# Altium PCB pcb-ash-power.PcbDoc (part 3 of 6)
Units mm, origin at the board's own origin, x right, y up, seen from the top; angles counter-clockwise.
Board outline 140 x 87 mm, 4 copper layers (Top Layer, VCC, GND, Bottom Layer), stack 1.641 mm thick; 589 components, 453 nets, 2323 pads, 1205 vias.
Unrouted connection lines stored in the file: 345.
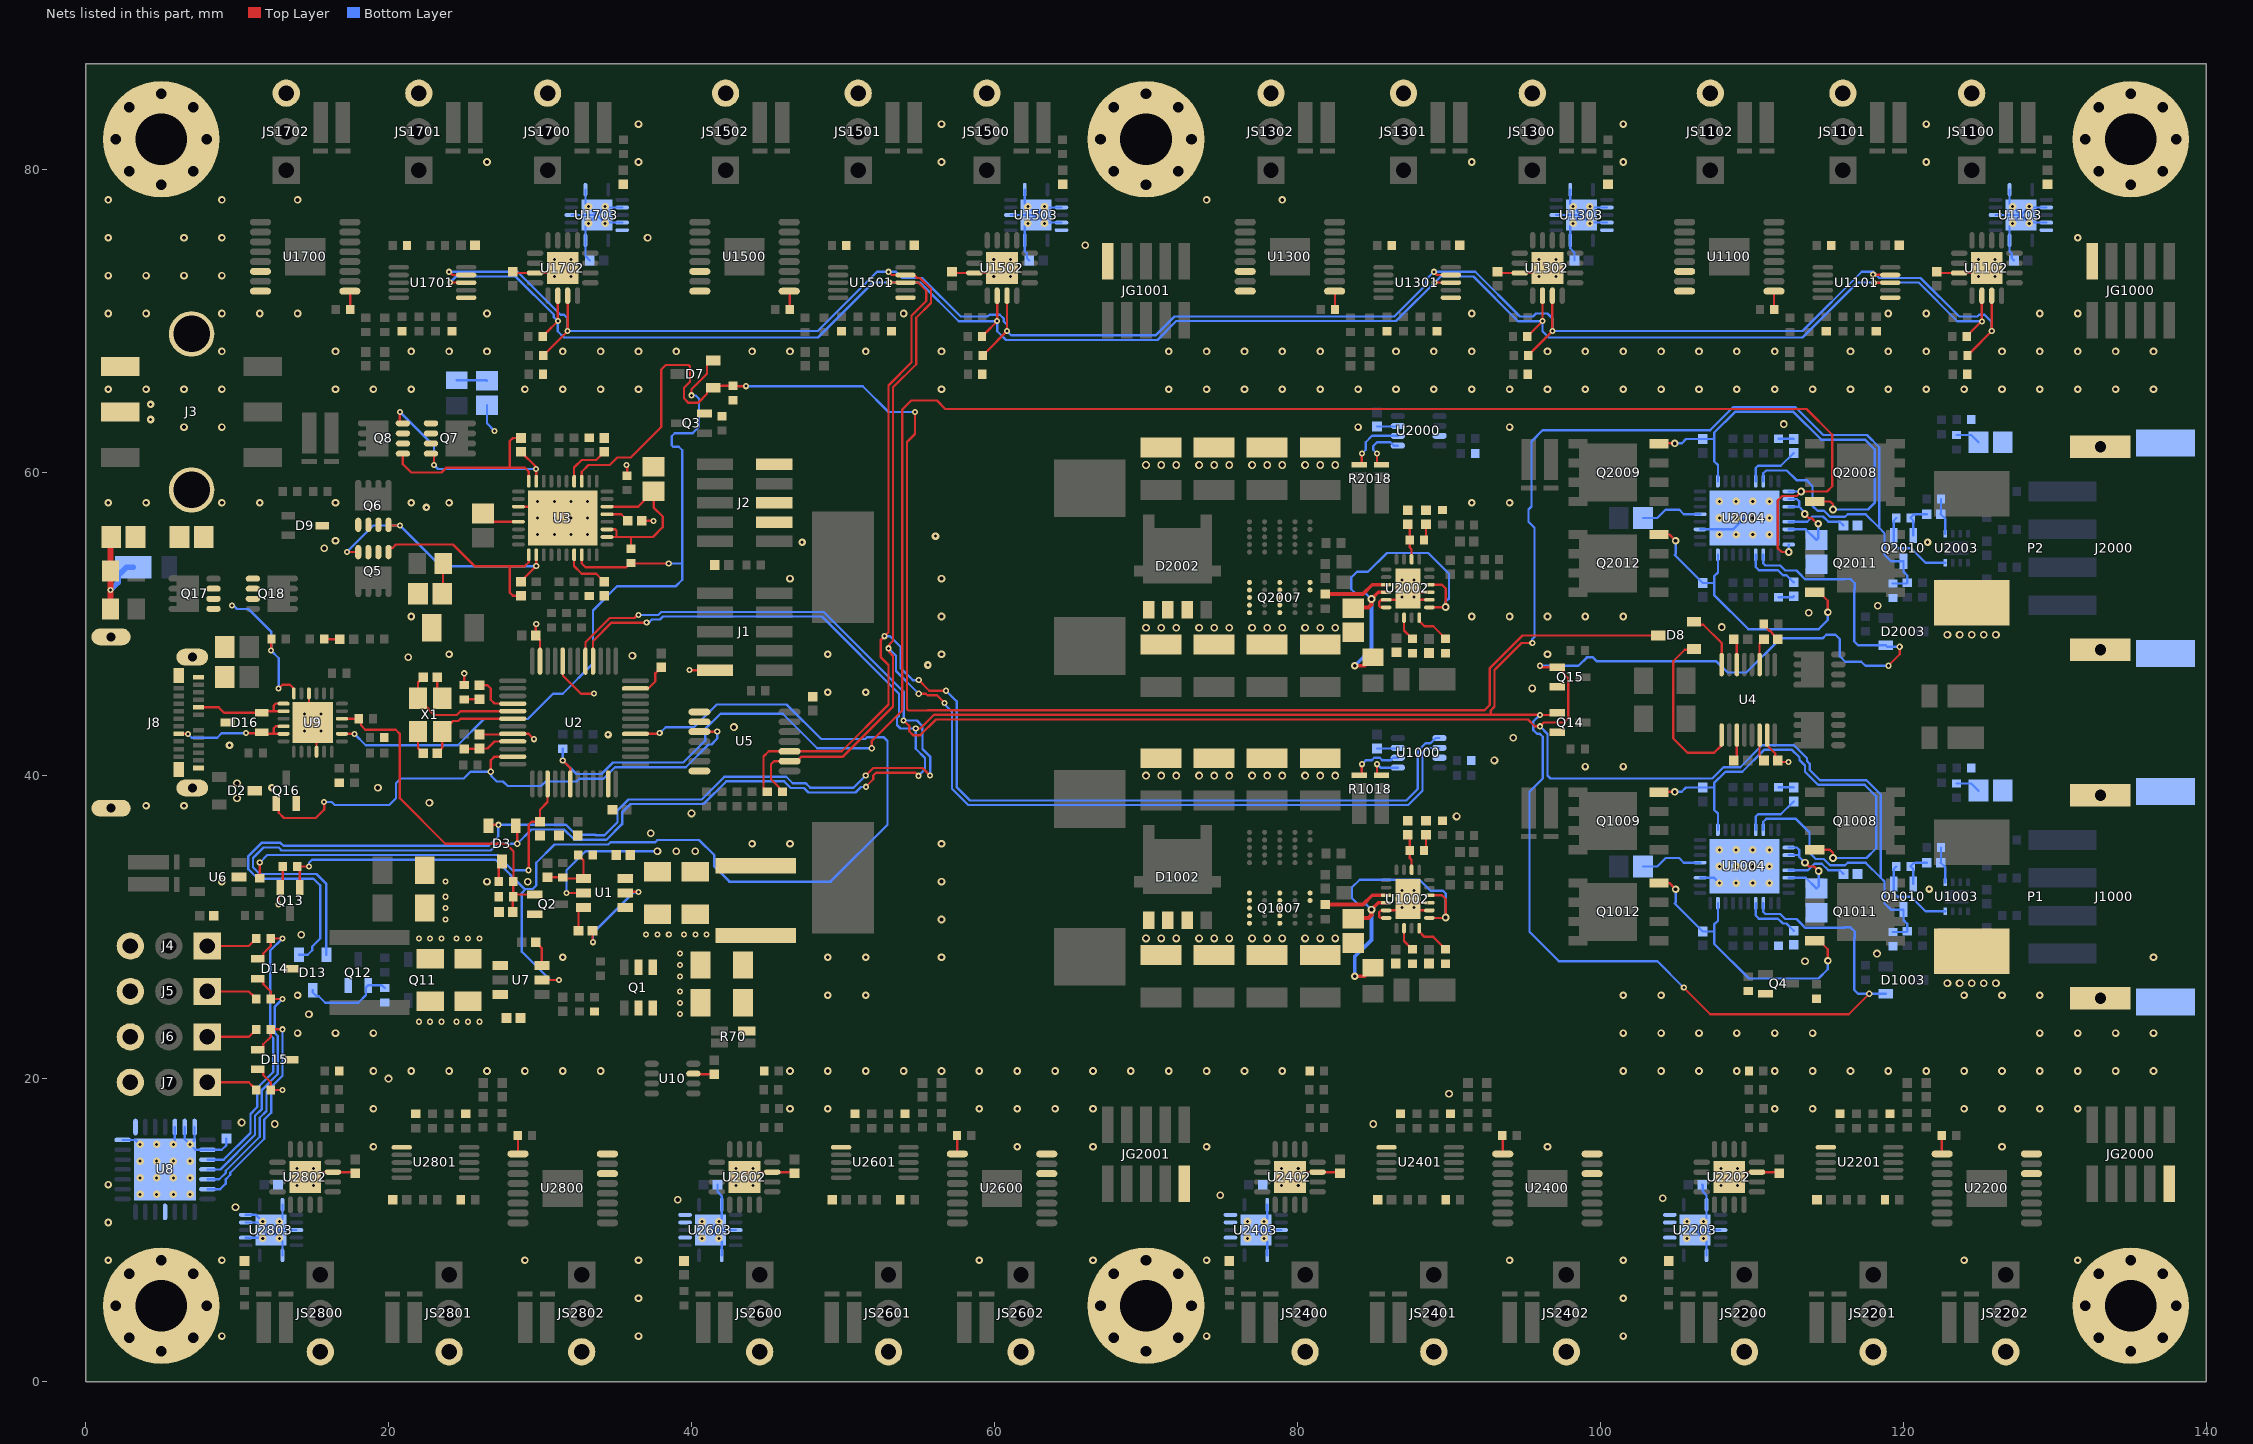
[diagram p5: the nets of this part, all layers, seen from the top]

## Via types
v1: diameter 0.5, hole 0.25, Top Layer to Bottom Layer, tented both sides, 250 vias
v2: diameter 0.406, hole 0.203, Top Layer to Bottom Layer, 244 vias
v3: diameter 0.5, hole 0.2, Top Layer to Bottom Layer, 202 vias
v4: diameter 0.508, hole 0.3, Top Layer to Bottom Layer, 155 vias
v5: diameter 0.4, hole 0.2, Top Layer to Bottom Layer, tented both sides, 103 vias
v6: diameter 0.508, hole 0.254, Top Layer to Bottom Layer, tented both sides, 82 vias
v7: diameter 1.27, hole 0.7, Top Layer to Bottom Layer, 48 vias
v8: diameter 0.4, hole 0.2, Top Layer to Bottom Layer, 47 vias
v9: diameter 0.5, hole 0.254, Top Layer to Bottom Layer, 24 vias
v10: diameter 0.508, hole 0.254, Top Layer to Bottom Layer, 19 vias
v11: diameter 0.508, hole 0.2, Top Layer to Bottom Layer, 17 vias
v12: diameter 0.406, hole 0.203, Top Layer to Bottom Layer, tented both sides, 10 vias
v13: diameter 0.508, hole 0.2, Top Layer to Bottom Layer, tented both sides, 4 vias

## Nets (pads, with @x,y where several pads share a name; then routed paths per layer and width w, separated by ;. In a path a pad name is that pad's centre, name@x,y a point inside that pad or via, vN(x,y) a via of type N, cw(c..) or ccw(c..) an arc to the next point about the centre after c; other vN are vias at no path point) (continued)
\R_FLT: R13.1 U2.18 U2004.11 U2004.18 | length 124.8
  Top Layer w0.152: v2(31.5,41) 32,40.5 U2.18@32,39.45 ; v2(51.9,41.8) 51.9,42.288 53.914,44.302 53.914,64.164 54.5,64.75 56.2,64.75 56.75,64.2 113.6,64.2 115.3,62.5 115.3,59.1 114.945,58.745 v10(113.245,58.745) 112.955,58.455 112,58.455 111.71,58.165 111.71,55.01 111.97,54.75 v10(112.425,54.75)
  Bottom Layer w0.152: R13.1@31.5,41.775 v2(31.5,41) 32.4,40.1 34.059,40.1 34.818,40.86 39.46,40.86 40.9,42.3 40.9,43.069 41.917,44.086 46.021,44.086 48.307,41.8 v2(51.9,41.8) ; v10(112.425,54.75) U2004.18@112.425,55.25 ; U2004.11@112.425,58.75 112.43,58.745 v10(113.245,58.745)
\USB_EN_SNK: C8.2 Q2.1 R2.2 R4.2 R61.1 U9.16 | length 23.1
  Top Layer w0.152: U9.16@16.925,43.75 R61.1@18.025,43.75 18.184,43.591 18.184,43.316 18.471,43.029 20.471,43.029 20.75,42.75 20.75,38.5 23.75,35.5 27.75,35.5 28.25,35 28.25,33.025 R2.2@28.225,33 R4.2@28.225,32 ; C8.2@28.21,31 28.21,31.985 R4.2@28.225,32 ; Q2.1@29.65,32.15 28.375,32.15 R4.2@28.225,32
BAT_PG1: D3.A1 D13.A2 D1003.A1 Q14.1 Q2010.3 R2039.1 R2041.2 U2.40 U1004.21 U2004.8 | length 254.6
  Top Layer w0.152: D3.A1@28.4,36.675 28.5,36.575 v2(28.5,35.5) ; U2.40@33.5,47.55 33.5,48.869 34.726,50.095 37.037,50.095 v2(37.042,50.1) ; v2(51.507,39.257) 52,39.75 52,40 52.195,40.195 54.763,40.195 54.975,39.984 v2(54.98,39.984) ; v2(54.8,43.1) 54.803,43.103 55.103,43.103 56.01,44.01 92.75,44.01 ; v2(95.5,48.75) 94.781,48.75 93.005,46.974 93.005,44.552 92.75,44.297 92.75,44.01 ; Q14.1@97.15,44.15 97,44 v2(96,44) 95.99,44.01 92.75,44.01 ; v2(105.5,26) 107.25,24.25 116.39,24.25 v2(117.74,25.6)
  Bottom Layer w0.152: D13.A2@15.9,28.175 15.9,32.85 15.25,33.5 11.5,33.5 11.055,33.945 11.055,34.555 11.75,35.25 12.75,35.25 12.945,35.055 26.75,35.055 27.195,35.5 v2(28.5,35.5) 29.445,36.445 31.593,36.445 32.28,35.758 34.383,35.758 35.419,36.795 35.419,37.564 35.972,38.116 40.797,38.116 42.297,39.616 46.121,39.616 46.557,39.181 47.426,39.181 47.721,38.886 50.817,38.886 51.181,39.25 51.5,39.25 v2(51.507,39.257) ; v2(37.042,50.1) 37.09,50.149 37.249,50.149 37.395,50.295 37.926,50.295 38.126,50.495 48.605,50.495 53.695,45.405 53.695,43.938 53.568,43.811 53.568,43.468 53.563,43.463 53.563,43.337 53.8,43.1 v2(54.8,43.1) 54.8,41.769 55.409,41.159 55.409,40.409 54.984,39.984 v2(54.98,39.984) ; v2(95.5,48.75) 95.5,49 95.645,49.145 95.645,56.355 95.25,56.75 95.25,57.569 95.445,57.764 95.445,62.057 96.188,62.8 107.238,62.8 108.747,64.31 112.871,64.31 114.701,62.48 117.584,62.48 118.4,61.664 118.4,56.35 ; v2(96,44) 95.568,43.568 95.568,43 95.818,42.75 96,42.75 96.195,42.555 96.195,39.807 95.313,38.925 95.313,29.687 97.25,27.75 103.75,27.75 v2(105.5,26) ; U1004.21@110.75,31.575 110.75,31.01 110.9,30.86 111.862,30.86 112.188,30.533 112.93,30.533 113.299,30.165 113.299,30.161 113.5,29.96 116.093,29.96 116.112,29.979 116.508,29.979 116.789,29.698 116.789,29.302 116.756,29.269 116.756,25.844 117,25.6 v2(117.74,25.6) D1003.A1@118.825,25.6 ; U2004.8@110.75,59.425 110.75,59.95 110.94,60.14 112.3,60.14 112.94,59.5 113.6,59.5 114,59.1 114,57.8 114.327,57.473 114.75,57.473 115.145,57.078 116.142,57.078 116.315,57.25 117.5,57.25 118.4,56.35 ; R2041.2@119.3,52.675 120.2,52.675 R2039.1@120.25,52.725 120.25,53.21 120,53.46 Q2010.3@120,54.15 119.175,54.15 118.75,54.575 118.75,56 118.4,56.35
BAT_PG2: D3.A2 D13.A1 D2003.A1 Q15.1 Q1010.3 R1039.1 R1041.2 U2.41 U1004.8 U2004.21 | length 236.4
  Top Layer w0.152: D3.A2@26.6,36.75 v2(27.25,36.75) ; U2.41@33,47.55 33,48.8 34.6,50.4 36.231,50.4 v2@36.431,50.6 ; v2(51.5,40) 52,40.5 55.25,40.5 v2(55.75,40) ; v2(54,43.632) 54.015,43.632 54.368,43.279 54.368,42.921 54.621,42.668 55.099,42.668 56.136,43.705 95.206,43.705 95.661,43.25 v2(96,43.25) ; v2@96,43.299 96.049,43.299 96.25,43.5 97.573,43.5 97.879,43.805 97.879,46.421 97.534,46.766 97.534,46.976 97.36,47.15 Q15.1@97.15,47.15 96.1,47.15 v2(96,47.25) ; v2(119,47.25) 119.75,48 v2(119.75,48.5)
  Bottom Layer w0.152: D13.A1@14.1,28.175 14.675,28.175 14.962,28.463 14.962,28.713 15.5,29.25 15.5,32.75 15.055,33.195 11.374,33.195 10.75,33.819 10.75,34.681 11.624,35.555 12.876,35.555 13.071,35.36 26.61,35.36 27.25,36 v2(27.25,36.75) 31.719,36.75 32.383,36.086 33.664,36.086 33.687,36.063 34.256,36.063 35.114,36.921 35.114,37.69 35.845,38.421 40.671,38.421 42.171,39.921 46.247,39.921 46.683,39.486 47.552,39.486 47.61,39.428 47.847,39.19 50.69,39.19 v2(51.5,40) ; v2(36.5,50.6) 37.8,50.6 38,50.8 48.731,50.8 54,45.531 v2(54,43.632) 54.879,43.632 55.232,43.279 55.232,43.018 55.25,43 55.25,41.75 55.75,41.25 v2(55.75,40) ; v2(96,43.25) 96.5,42.75 96.5,40 96.695,39.805 107.374,39.805 108.124,40.555 109.224,40.555 110.669,42 112.773,42 113.627,41.146 113.627,40.963 113.805,40.785 113.805,40.376 114.493,39.688 117.562,39.688 118.5,38.75 118.5,33.25 ; v2(96,47.25) 98.55,47.25 99.1,47.8 99.5,47.8 99.745,47.555 107.626,47.555 108.181,47 108.2,47 108.4,46.8 109.619,46.8 111.874,49.055 114.655,49.055 114.895,49.295 115.505,49.295 115.8,49 115.8,47.881 116.162,47.519 117.219,47.519 117.488,47.25 v2(119,47.25) ; U1004.8@110.75,36.425 110.75,36.95 110.94,37.14 112.9,37.14 113.8,36.24 113.8,34.9 114.213,34.487 114.736,34.487 114.75,34.473 115.145,34.078 116.142,34.078 116.315,34.25 117.5,34.25 118.5,33.25 ; U2004.21@110.75,54.575 110.75,54.01 110.9,53.86 111.862,53.86 112.188,53.533 112.93,53.533 113.299,53.165 113.299,53.161 113.5,52.96 116.093,52.96 116.112,52.979 116.508,52.979 116.789,52.698 116.789,52.302 116.756,52.269 116.756,48.844 117,48.6 D2003.A1@118.825,48.6 118.925,48.5 v2(119.75,48.5) ; R1041.2@119.3,29.675 120.2,29.675 R1039.1@120.25,29.725 120.25,30.21 120,30.46 Q1010.3@120,31.15 119.175,31.15 118.75,31.575 118.75,33 118.5,33.25
BG_REG_L: FB1001.1 U1002.13 | length 4.3
  Top Layer w0.25: FB1001.1@81.83,31.49 84.32,31.49 84.93,32.1 U1002.13@85.855,32.1
BG_REG_R: FB2001.1 U2002.13 | length 4.3
  Top Layer w0.25: FB2001.1@81.83,51.99 84.32,51.99 84.93,52.6 U2002.13@85.855,52.6
BOOST: C33.1 U7.6 | length 1.7
  Top Layer w0.152: C33.1@29.71,29 30.125,28.585 U7.6@30.125,27.45
CC1: D16.2 J8.A5 U9.1 U9.2 | length 6.9
  Top Layer w0.152: J8.A5@7.46,44.5 8.8,44.5 9.15,44.15 D16.2@11.625,44.15 11.725,44.25 12.425,44.25 ; U9.2@13.075,44.25 12.425,44.25 ; U9.1@13.075,44.75 12.55,44.75 12.425,44.625 12.425,44.25
CC2: D16.1 J8.B5 U9.4 U9.5 | length 8.2
  Top Layer w0.152: J8.B5@6.16,42.75 v12(6.769,42.75) ; v2(10.6,42.8) 11.575,42.8 11.625,42.75 12.425,42.75 ; U9.5@13.075,42.75 12.425,42.75 ; U9.4@13.075,43.25 12.55,43.25 12.425,43.125 12.425,42.75
  Bottom Layer w0.152: v12(6.769,42.75) 7.019,42.5 8.7,42.5 9,42.8 v2(10.6,42.8)
CELLS_UVLO_HS_L: Q1010.1 R1040.2 U1003.8 | length 5.7
  Bottom Layer w0.152: R1040.2@119.525,34 119.35,33.825 Q1010.1@119.35,32.85 119.35,32.25 119.6,32 120.5,32 121.45,31.05 U1003.8@122.75,31.05
CELLS_UVLO_HS_R: Q2010.1 R2040.2 U2003.8 | length 5.7
  Bottom Layer w0.152: R2040.2@119.525,57 119.35,56.825 Q2010.1@119.35,55.85 119.35,55.25 119.6,55 120.5,55 121.45,54.05 U2003.8@122.75,54.05
EXT_BATS_OK: D7.A1 D8.C R38.2 U3.21 | length 104.8
  Top Layer w0.152: U3.21@32.75,59.425 32.75,60.05 33.2,60.5 34.6,60.5 35.1,61 35.996,61 38,63.004 38,66.8 38.3,67.1 39.8,67.1 39.9,67 39.9,66 39.5,65.6 39.5,64.9 39.8,64.6 40.425,64.6 41.026,65.201 41.026,65.351 41.275,65.6 D7.A1@41.425,65.6 41.55,65.725 R38.2@42.75,65.725 42.775,65.7 v2(43.6,65.7) ; v2(54.75,64) 54.75,62.55 54.219,62.019 54.219,44.389 54.308,44.3 55.569,44.3 55.583,44.314 92.336,44.314 92.7,44.679 92.7,47.1 94.85,49.25 D8.C@103.825,49.25
  Bottom Layer w0.152: v2(43.6,65.7) 51.3,65.7 53,64 v2(54.75,64)
EYE_ENABLE: Q13.1 R52.2 U2.29 U7.5 | length 79.5
  Top Layer w0.152: Q13.1@14.15,32.6 14.15,33.825 R52.2@13.975,34 v2(14.75,34) ; U7.5@30.125,26.5 v2(31.25,26.5) ; U2.29@36.3,42.75 37.85,42.75 v2(37.9,42.8)
  Bottom Layer w0.152: v2(14.75,34) 14.75,34.25 14.945,34.445 27.055,34.445 28.983,32.517 29,32.517 ; v2(31.25,26.5) 30.681,26.5 28.805,28.376 28.805,32.25 29,32.445 29,32.517 ; v2(37.9,42.8) 38.295,43.195 40.164,43.195 41.664,44.695 46.274,44.695 48.559,42.41 51.468,42.41 51.595,42.537 52.674,42.537 52.932,42.279 52.932,36.751 49.181,33 42.5,33 41.5,34 41.5,34.75 40.5,35.75 37.75,35.75 37.602,35.602 34.657,35.602 34.509,35.454 30.954,35.454 29.75,34.25 29.75,32.75 29.517,32.517 29,32.517
EYE_ISENS: C32.2 R45.2 U2.15 | length 25.9
  Top Layer w0.152: R45.2@11.5,33.225 v2(11.5,34.25) ; v2(29.25,33.75) 29.25,36.75 29.46,36.96 C32.2@30,36.96 30,37.75 30.5,38.25 U2.15@30.5,39.45
  Bottom Layer w0.152: v2(11.5,34.25) 12,34.75 27.181,34.75 28.181,33.75 v2(29.25,33.75)
EYE_S1: D14.1 R51.1 U8.3 | length 20
  Top Layer w0.152: D14.1@11.375,27.9 11.56,27.9 11.734,28.074 11.734,28.259 12.225,28.75 R51.1@12.225,29.25 v2(13,29.25)
  Bottom Layer w0.152: U8.3@8.05,14.65 9.126,14.65 10.886,16.41 10.886,17.669 11.336,18.119 11.336,19.379 12.39,20.434 12.39,22.679 12.195,22.874 12.195,28.445 v2(13,29.25)
EYE_S1R: J4.1 R51.2 | length 3.5
  Top Layer w0.152: J4.1@8.04,28.75 10.775,28.75 11.051,29.026 11.076,29.026 11.275,29.225 R51.2@11.275,29.25
EYE_S2: D14.2 R53.1 U8.4 | length 16.7
  Top Layer w0.152: D14.2@11.489,26.714 D14.2@11.375,26.6 11.56,26.6 11.734,26.426 11.734,26.241 12.225,25.75 R53.1@12.225,25.25 v2(13,25.25)
  Bottom Layer w0.152: U8.4@8.05,14 8.907,14 11.19,16.284 11.19,17.543 11.64,17.993 11.64,19.253 12.695,20.307 12.695,22.805 12.5,23 12.5,24.75 v2(13,25.25)
EYE_S2R: J5.1 R53.2 | length 3.5
  Top Layer w0.152: J5.1@8.04,25.75 10.775,25.75 11.051,25.474 11.076,25.474 11.275,25.275 R53.2@11.275,25.25
EYE_S3: D15.1 R55.1 U8.5 | length 15
  Top Layer w0.152: D15.1@11.375,21.9 11.56,21.9 11.734,22.074 11.734,22.259 12.225,22.75 R55.1@12.225,23.25 v2(13,23.25)
  Bottom Layer w0.152: U8.5@8.05,13.35 8.826,13.35 9.25,13.774 9.25,13.912 11.495,16.157 11.495,17.417 11.945,17.867 11.945,19.126 13,20.181 v2(13,23.25)
EYE_S3R: J6.1 R55.2 | length 3.5
  Top Layer w0.152: J6.1@8.04,22.75 10.775,22.75 11.051,23.026 11.076,23.026 11.275,23.225 R55.2@11.275,23.25
EYE_S4: D15.2 R56.1 U8.6 | length 12.1
  Top Layer w0.152: D15.2@11.489,20.714 D15.2@11.375,20.6 11.56,20.6 11.734,20.426 11.734,20.241 12.225,19.75 R56.1@12.225,19.25 v2(13,19.25)
  Bottom Layer w0.152: U8.6@8.05,12.7 8.884,12.7 9.25,13.066 9.25,13.343 9.555,13.648 9.555,13.786 11.8,16.031 11.8,17.291 12.25,17.741 12.25,19 12.5,19.25 v2(13,19.25)
EYE_S4R: J7.1 R56.2 | length 3.5
  Top Layer w0.152: J7.1@8.04,19.75 10.775,19.75 11.051,19.474 11.076,19.474 11.275,19.275 R56.2@11.275,19.25
FREQ_REG_L: R1022.2 U1002.20 | length 2.5
  Top Layer w0.152: U1002.20@88.03,29.925 88.03,29.7 88.38,29.35 88.955,29.35 R1022.2@89.78,28.525
FREQ_REG_R: R2022.2 U2002.20 | length 2.5
  Top Layer w0.152: U2002.20@88.03,50.425 88.03,50.2 88.38,49.85 88.955,49.85 R2022.2@89.78,49.025
GATE1_HS_L: C1044.1 Q1008.4 Q1009.4 U1004.2 | length 28.4
  Top Layer w0.152: Q1009.4@103.86,38.905 103.88,38.925 v6(104.9,38.925) ; Q1008.4@114.14,35.095 115.155,35.095 115.345,34.905 v6(115.345,34.56)
  Bottom Layer w0.152: v6(104.9,38.925) 105.365,38.925 105.65,39.21 C1044.1@106.75,39.21 107.46,39.21 107.5,39.25 ; U1004.2@107.75,36.425 107.75,37.5 107.5,37.75 107.5,39.25 ; v6(115.345,34.56) 117.56,34.56 118.195,35.195 118.195,38.624 117.436,39.383 114.367,39.383 113.5,40.25 113.5,40.659 113.137,41.022 113.137,41.205 112.647,41.695 110.795,41.695 109.35,40.25 108.25,40.25 107.5,39.5 107.5,39.25
GATE1_HS_R: C2044.1 Q2008.4 Q2009.4 U2004.2 | length 27.4
  Top Layer w0.152: Q2009.4@103.86,61.905 103.88,61.925 v10(104.9,61.925) ; Q2008.4@114.14,58.095 115.155,58.095 115.345,57.905 v10(115.345,57.56)
  Bottom Layer w0.152: v10(104.9,61.925) 105.365,61.925 105.65,62.21 C2044.1@106.75,62.21 107.46,62.21 ; U2004.2@107.75,59.425 107.75,60.5 107.5,60.75 107.5,62.17 107.46,62.21 ; v10(115.345,57.56) 117.66,57.56 118.095,57.995 118.095,61.537 117.458,62.175 114.575,62.175 112.745,64.005 108.874,64.005 107.5,62.631 107.5,62.25 107.46,62.21
GATE2_HS_L: C1052.1 Q1011.4 Q1012.4 U1004.27 | length 19.5
  Top Layer w0.152: Q1012.4@103.86,32.905 104.555,32.905 v6(104.96,32.5) ; Q1011.4@114.14,29.095 114.44,29.095 115,28.535 115,27.787 v6(115.01,27.777)
  Bottom Layer w0.152: v6(104.96,32.5) 104.96,31.62 104.9,31.56 C1052.1@106.75,29.71 107.46,29.71 107.5,29.75 ; U1004.27@107.75,31.575 107.75,30.411 107.5,30.161 107.5,29.75 ; v6(115.01,27.777) 115,27.767 115,27.21 114.395,26.605 109.794,26.605 107.5,28.898 107.5,29.75
GATE2_HS_R: C2052.1 Q2011.4 Q2012.4 U2004.27 | length 19.4
  Top Layer w0.152: Q2012.4@103.86,55.905 104.555,55.905 v10(104.96,55.5) ; Q2011.4@114.14,52.095 114.44,52.095 115,51.535 115,50.787 v10(115.01,50.777)
  Bottom Layer w0.152: v10(104.96,55.5) 104.96,54.62 104.9,54.56 C2052.1@106.75,52.71 107.46,52.71 107.5,52.75 ; U2004.27@107.75,54.575 107.75,53.411 107.5,53.161 107.5,52.75 ; v10(115.01,50.777) 115,50.767 115,50.262 114.402,49.664 109.751,49.664 107.5,51.915 107.5,52.75
GND: C2.1 C3.1 C4.1 C5.1 C6.1 C8.1 C9.2 C10.1 C11.1 C12.1 C13.1 C14.1 C15.1 C16.1 C19.1 C20.1 C21.1 C22.1 C23.1 C24.1 C27.1 C29.1 C30.2 C31.1 C32.1 C34.1 C35.1 C36.1 C37.1 C38.1 C40.2 C42.1 C43.1 C44.1 C45.1 C46.2 C47.1 C48.1 C1026.1 C1027.2 C1028.2 C1029.2 C1030.2 C1031.2 C1034.1 C1035.1 C1036.1 C1037.2 C1038.2 C1039.2 C1040.2 C1043.1 C1045.1 C1046.1 C1049.1 C1054.1 C1055.1 C1056.1 C1057.2 C1100.1 C1101.1 C1102.1 C1300.1 C1301.1 C1302.1 C1500.1 C1501.1 C1502.1 C1700.1 C1701.1 C1702.1 C2026.1 C2027.2 C2028.2 C2029.2 C2030.2 C2031.2 C2034.1 C2035.1 C2036.1 C2037.2 C2038.2 C2039.2 C2040.2 C2043.1 C2045.1 C2046.1 C2049.1 C2054.1 C2055.1 C2056.1 C2057.2 C2200.1 C2201.1 C2202.1 C2400.1 C2401.1 C2402.1 C2600.1 C2601.1 C2602.1 C2800.1 C2801.1 C2802.1 D9.3 D14.3 D15.3 D16.3 D1002.1 D1002.2 D1002.3 D1100.2 D1300.2 D1500.2 D1700.2 D2002.1 D2002.2 D2002.3 D2200.2 D2400.2 D2600.2 D2800.2 J1.2 J2.3 J2.5 J2.9 J3.2 J3.3 J3.TAB J4.3 J5.3 J6.3 J7.3 J8.A1 J8.A12 J8.B1 J8.B12 J8.SHD J1000.TAB J2000.TAB JG1000.2 JG1001.2 JG2000.2 JG2001.2 JS1100.3 JS1101.3 JS1102.3 JS1300.3 JS1301.3 JS1302.3 JS1500.3 JS1501.3 JS1502.3 JS1700.3 JS1701.3 JS1702.3 JS2200.3 JS2201.3 JS2202.3 JS2400.3 JS2401.3 JS2402.3 JS2600.3 JS2601.3 JS2602.3 JS2800.3 JS2801.3 JS2802.3 MH1.1 MH2.1 MH3.1 MH4.1 MH5.1 MH6.1 P1.2 P1.TAB P2.2 P2.TAB Q2.2 Q3.2 Q4.2 Q12.2 Q13.2 Q14.2 Q15.2 Q16.2 Q1007.S Q1010.2 Q2007.S Q2010.2 R4.1 R5.1 R6.1 R7.1 R21.1 R26.1 R28.1 R29.1 R37.1 R38.1 R48.1 R50.1 R52.1 R67.1 R68.1 R69.1 R72.1 R74.1 R1001.1 R1020.2 R1022.1 R1027.1 R1037.1 R1040.1 R1041.1 R1042.2 R1050.1 R1101.1 R1102.1 R1106.1 R1107.1 R1110.1 R1301.1 R1302.1 R1306.1 R1307.1 R1310.1 R1501.1 R1502.1 R1506.1 R1507.1 R1510.1 R1701.1 R1702.1 R1706.1 R1707.1 R1710.1 R2001.1 R2020.2 R2022.1 R2027.1 R2037.1 R2040.1 R2041.1 R2042.2 R2050.1 R2201.1 R2202.1 R2206.1 R2207.1 R2210.1 R2401.1 R2402.1 R2406.1 R2407.1 R2410.1 R2601.1 R2602.1 R2606.1 R2607.1 R2610.1 R2801.1 R2802.1 R2806.1 R2807.1 R2810.1 U1.1 U2.8 U2.23 U2.35 U2.44 U2.47 U3.31 U3.37 U4.15 U5.1 U5.2 U5.7 U6.2 U7.1 U8.2 U8.11 U8.21 U8.22 U8.26 U8.27 U8.28 U8.29 U9.10 U9.22 U9.25 U10.3 U1000.3 U1000.7 U1002.2 U1002.3 U1002.15 U1002.16 U1002.21 U1004.31 U1004.37 U1100.1 U1100.14 U1100.16 U1101.6 U1102.3 U1102.17 U1103.1 U1103.4 U1103.7 U1103.10 U1103.12 U1103.13 U1103.15 U1300.1 U1300.14 U1300.16 U1301.6 U1302.3 U1302.17 U1303.1 U1303.4 U1303.7 U1303.10 U1303.12 U1303.13 U1303.15 U1500.1 U1500.14 U1500.16 U1501.6 U1502.3 U1502.17 U1503.1 U1503.4 U1503.7 U1503.10 U1503.12 U1503.13 U1503.15 U1700.1 U1700.14 U1700.16 U1701.6 U1702.3 U1702.17 U1703.1 U1703.4 U1703.7 U1703.10 U1703.12 U1703.13 U1703.15 U2000.3 U2000.7 U2002.2 U2002.3 U2002.15 U2002.16 U2002.21 U2004.31 U2004.37 U2200.1 U2200.14 U2200.16 U2201.6 U2202.3 U2202.17 U2203.1 U2203.4 U2203.7 U2203.10 U2203.12 U2203.13 U2203.15 U2400.1 U2400.14 U2400.16 U2401.6 U2402.3 U2402.17 U2403.1 U2403.4 U2403.7 U2403.10 U2403.12 U2403.13 U2403.15 U2600.1 U2600.14 U2600.16 U2601.6 U2602.3 U2602.17 U2603.1 U2603.4 U2603.7 U2603.10 U2603.12 U2603.13 U2603.15 U2800.1 U2800.14 U2800.16 U2801.6 U2802.3 U2802.17 U2803.1 U2803.4 U2803.7 U2803.10 U2803.12 U2803.13 U2803.15 X1.SHIELD | length 190.2
  Top Layer w0.152: v2(12.75,31.5) 12.75,32.5 Q13.2@12.85,32.6 12.85,32.85 13.025,33.025 R52.1@13.025,34 ; U2802.17@14.5,13.5 14.825,13.825 U2802.3@16.325,13.825 17.715,13.825 C2800.1@17.8,13.74 ; U9.22@14.75,45.425 14.75,43.75 U9.25@15,43.5 15.25,43.25 U9.10@15.25,41.575 ; U1700.1@17.45,71.975 17.475,71.95 R1702.1@17.475,70.75 ; X1.SHIELD@21.95,42.9 21.95,41.821 C16.1@22.29,41.481 ; C15.1@23.21,46.481 23.21,45.44 X1.SHIELD@23.55,45.1 ; R21.1@25,45.975 v2(25,46.75) ; C14.1@26,42.71 27.37,42.71 27.41,42.75 U2.8@28.2,42.75 29.25,42.75 v2(29.6,42.4) ; C1700.1@28.2,73.26 28.285,73.175 U1702.3@29.675,73.175 31.175,73.175 U1702.17@31.5,73.5 ; R2802.1@28.525,16.25 28.55,16.225 U2800.1@28.55,15.025 ; U3.31@28.575,57.75 30.75,57.75 U3.37@31.5,57 ; v2(29.75,50) 29.71,49.96 C11.1@29.71,49.25 30,48.96 U2.47@30,47.55 ; U2.44@31.5,47.55 31.515,47.535 31.515,46.585 32.7,45.4 33.565,45.4 v2(33.56,45.405) ; v2(35.7,60.5) 35.7,60.431 35.75,60.381 R26.1@35.75,59.8 ; U2.35@36.3,45.75 36.328,45.778 37.178,45.778 37.605,46.205 37.605,46.745 C12.1@38,47.14 ; C21.1@36.71,56.825 37.475,56.825 v2(37.5,56.8) ; v2(39.877,46.96) J1.2@41.55,46.96 ; U10.3@40.125,20.325 40.16,20.29 C46.2@41.5,20.29 ; U2602.17@43.5,13.5 43.825,13.825 U2602.3@45.325,13.825 46.715,13.825 C2600.1@46.8,13.74 ; U1500.1@46.45,71.975 46.475,71.95 R1502.1@46.475,70.75 ; C1500.1@57.2,73.26 57.285,73.175 U1502.3@58.675,73.175 60.175,73.175 U1502.17@60.5,73.5 ; R2602.1@57.525,16.25 57.55,16.225 U2600.1@57.55,15.025 ; U2402.17@79.5,13.5 79.825,13.825 U2402.3@81.325,13.825 82.715,13.825 C2400.1@82.8,13.74 ; U1300.1@82.45,71.975 82.475,71.95 R1302.1@82.475,70.75 ; U1002.16@85.855,30.6 85.836,30.619 85.468,30.619 85.4,30.687 85.4,30.992 85.489,31.081 85.836,31.081 U1002.15@85.855,31.1 86.531,31.1 87.28,31.849 U1002.21@87.529,31.6 ; U2002.16@85.855,51.1 85.836,51.119 85.468,51.119 85.4,51.187 85.4,51.492 85.489,51.581 85.836,51.581 U2002.15@85.855,51.6 86.531,51.6 87.28,52.349 88.029,51.6 U2002.2@88.705,51.6 ; U2002.21@87.28,52.35 87.53,52.1 U2002.3@88.705,52.1 ; U1002.2@88.705,31.1 88.029,31.1 U1002.21@87.529,31.6 ; U1002.3@88.705,31.6 U1002.21@87.529,31.6 ; C1300.1@93.2,73.26 93.285,73.175 U1302.3@94.675,73.175 96.175,73.175 U1302.17@96.5,73.5 ; R2402.1@93.525,16.25 93.55,16.225 U2400.1@93.55,15.025 ; U2202.17@108.5,13.5 108.825,13.825 U2202.3@110.325,13.825 111.715,13.825 C2200.1@111.8,13.74 ; R29.1@110.775,50 110.974,49.801 110.974,49.736 111.161,49.549 111.205,49.549 111.339,49.415 111.339,49.371 C23.1@111.71,49 ; U4.15@111,42.675 111,42.01 111.074,41.936 111.074,41.926 111.541,41.459 111.541,41.169 C24.1@111.811,40.899 ; U1100.1@111.45,71.975 111.45,70.775 R1102.1@111.475,70.75 ; C24.1@111.811,40.9 v2(112.4,40.9) ; C1100.1@122.2,73.26 122.285,73.175 U1102.3@123.675,73.175 125.175,73.175 U1102.17@125.5,73.5 ; R2202.1@122.525,16.25 122.525,15.05 U2200.1@122.55,15.025